# Altium PCB DIOT_Backplane.pcbdoc (part 6 of 11)
Units mm, origin at the board's own origin, x right, y up, seen from the top; angles counter-clockwise.
Board outline 304.8 x 128.5 mm, 14 copper layers (Top Layer, L2, L3GND, L4, L5GND, L6, L7GND, L8, L9GND, L10, L11GND, L12, L13GND, Bottom Layer), stack 4.06 mm thick; 141 components, 1224 nets, 5318 pads, 471 vias.
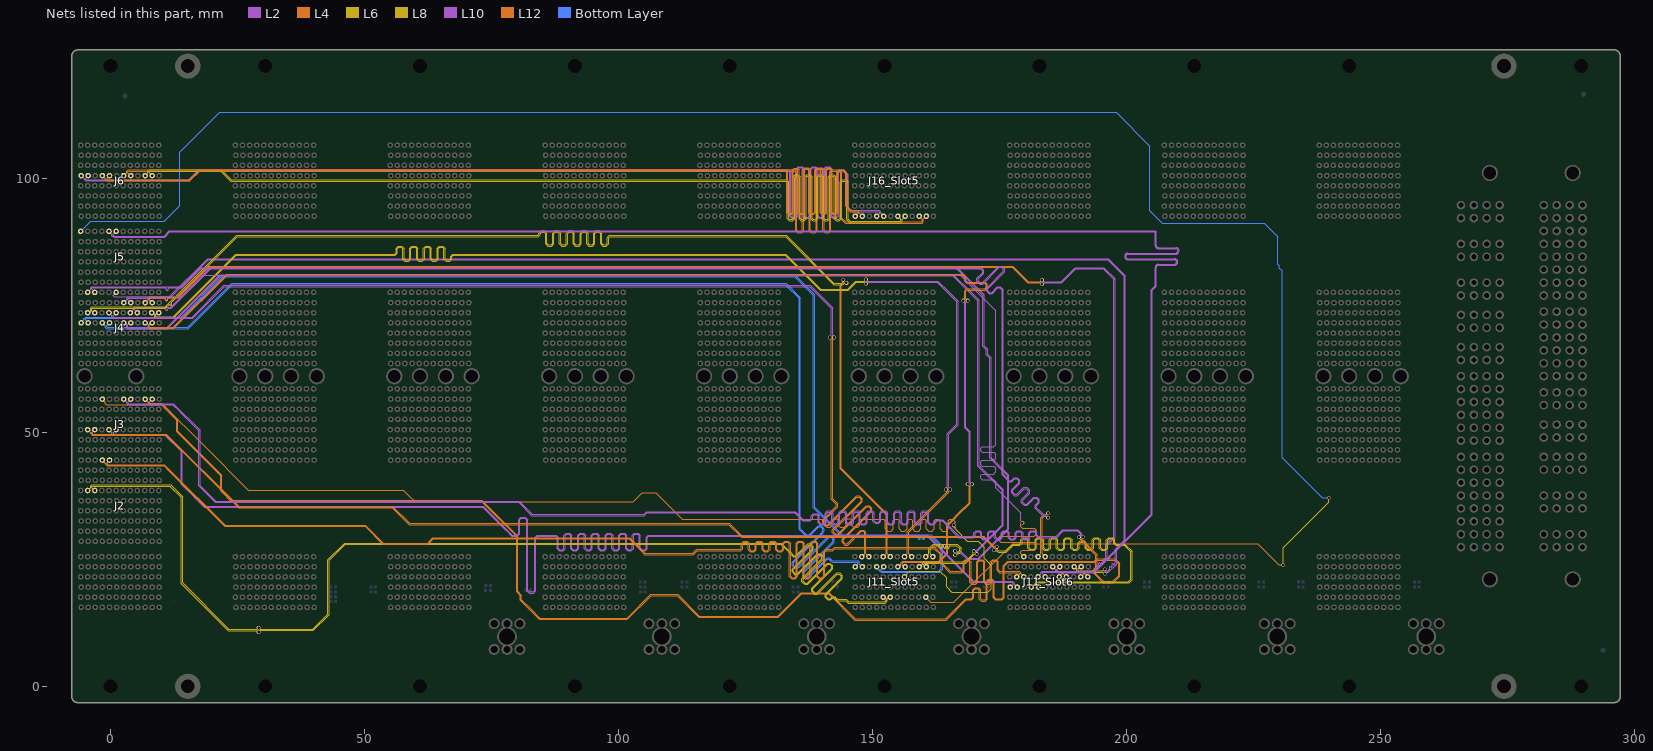
[diagram p18: the nets of this part, all layers, seen from the top]

## Via types
v1: diameter 0.75, hole 0.5, Top Layer to Bottom Layer, tented both sides, 429 vias
v2: diameter 0.85, hole 0.5, Top Layer to Bottom Layer, tented both sides, 32 vias
v3: diameter 1.3, hole 1, Top Layer to Bottom Layer, tented both sides, 10 vias

## Nets (pads, with @x,y where several pads share a name; then routed paths per layer and width w, separated by ;. In a path a pad name is that pad's centre, name@x,y a point inside that pad or via, vN(x,y) a via of type N, cw(c..) or ccw(c..) an arc to the next point about the centre after c; other vN are vias at no path point) (continued)
5_DIFF_4_P: J3.D7 J11_Slot5.H4 | length 244.8
  L4 w0.102: J3.D7@-1.58,56.55 -0.994,55.965 -0.994,55.63 -0.785,55.421 10.336,55.421 18.327,47.429 27.161,38.596 57.653,38.596 58.729,37.52 59.958,36.291 102.94,36.291 104.737,38.088 107.358,38.088 111.596,33.85 111.758,33.688 112.596,32.85 139.16,32.85 140.284,32.85 140.564,32.571 140.564,31.732 140.978,31.319 141.726,31.319 142.14,31.732 142.14,32.734 142.419,33.013 142.978,33.013 143.258,32.734 143.258,31.732 143.672,31.319 144.42,31.319 144.834,31.732 144.834,32.734 145.113,33.013 145.672,33.013 145.952,32.734 145.952,31.732 146.366,31.319 147.114,31.319 147.528,31.732 147.528,32.571 147.807,32.85 147.926,32.85 150.64,32.85 152.276,32.85 152.555,32.571 152.555,30.978 152.969,30.564 153.718,30.564 154.131,30.978 154.131,32.657 154.411,32.936 154.97,32.936 155.249,32.657 155.249,30.978 155.663,30.564 156.412,30.564 156.825,30.978 156.825,32.657 157.105,32.936 157.664,32.936 157.943,32.657 157.943,30.978 158.357,30.564 159.106,30.564 159.519,30.978 159.519,32.657 159.799,32.936 160.358,32.936 160.637,32.657 160.637,30.978 161.051,30.564 161.8,30.564 162.213,30.978 162.213,32.657 162.493,32.936 163.052,32.936 163.331,32.657 163.331,30.978 163.745,30.564 164.494,30.564 164.907,30.978 164.907,32.571 165.187,32.85 165.305,32.85 165.811,32.85 166.311,32.35 166.311,32.041 166,31.729 v1(166,31.69)
  L8 w0.12: J11_Slot5.H4@156.32,21.55 156.885,22.115 156.885,22.371 157.215,22.701 163.059,22.701 163.27,22.701 164.61,21.361 164.61,19.592 165.652,18.55 172.74,18.55 173.44,19.25 173.44,23.858 172.054,25.244 172.054,27.346 170.82,28.58 168.708,28.58 166.291,30.998 166.291,31.305 166,31.596 v1(166,31.69)
5_DIFF_5_N: J4.H5 J11_Slot5.K5 | length 241.5
  L8 w0.12: J11_Slot5.K5@160.62,23.55 160.423,23.55 160.055,23.918 160.055,24.017 160.318,24.28 168.39,24.28 170.066,25.956 170.477,25.956 v1(170.544,26.023)
  L10 w0.102: J4.H5@4.02,71.55 3.759,71.55 3.435,71.226 3.435,70.716 3.525,70.626 11.05,70.626 21.49,81.066 165.924,81.066 169.14,77.85 170.992,75.998 170.992,43.462 175.749,38.705 175.749,31.668 170.572,26.491 170.572,26.05 v1(170.544,26.023)
5_DIFF_5_P: J4.G5 J11_Slot5.J5 | length 241.5
  L8 w0.12: J11_Slot5.J5@159.22,23.55 159.417,23.55 159.785,23.918 159.785,24.129 160.206,24.55 168.278,24.55 169.875,26.147 169.875,26.558 v1(169.942,26.625)
  L10 w0.102: J4.G5@2.62,71.55 2.881,71.55 3.205,71.226 3.205,70.622 3.43,70.397 11.145,70.397 21.585,80.837 165.83,80.837 168.911,77.755 170.763,75.903 170.763,43.367 175.52,38.61 175.52,31.763 170.41,26.653 169.969,26.653 v1(169.942,26.625)
5_DIFF_6_N: J4.K5 J11_Slot5.H5 | length 242.1
  L4 w0.102: J4.K5@8.22,71.55 7.962,71.55 7.635,71.223 7.635,70.952 7.634,70.736 7.694,70.677 12.39,70.677 22.877,81.164 167.75,81.164 168.002,80.912 168.422,80.491 168.422,79.986 168.422,79.868 168.702,79.588 172.176,79.588 172.59,79.175 172.59,78.426 172.176,78.012 168.702,78.012 168.422,77.733 168.422,77.342 168.422,76.261 v1(168.734,75.95)
  L10 w0.102: v1(168.734,75.95) 168.734,75.91 168.422,75.599 168.422,50.981 169.279,50.125 169.279,44.061 169.279,40.116 169.59,39.804 v1(169.59,39.765)
  L12 w0.102: J11_Slot5.H5@156.42,23.55 156.159,23.55 155.835,23.874 155.835,24.155 156.103,24.423 163.158,24.423 164.815,26.081 164.815,31.645 168.088,34.918 168.151,34.918 169.279,36.046 169.279,39.414 169.59,39.726 v1(169.59,39.765)
5_DIFF_6_P: J4.J5 J11_Slot5.G5 | length 242.1
  L4 w0.102: J4.J5@6.82,71.55 7.078,71.55 7.406,71.223 7.406,71.047 7.405,70.641 7.599,70.448 12.485,70.448 22.972,80.935 167.655,80.935 168.193,80.397 168.193,79.986 168.193,79.773 168.607,79.359 172.081,79.359 172.361,79.08 172.361,78.521 172.081,78.241 168.607,78.241 168.193,77.828 168.193,77.342 168.193,76.261 v1(167.882,75.95)
  L10 w0.102: v1(167.882,75.95) 167.882,75.91 168.193,75.599 168.193,50.886 169.05,50.03 169.05,40.116 168.738,39.804 v1(168.738,39.765)
  L12 w0.102: J11_Slot5.G5@155.02,23.55 155.281,23.55 155.606,23.874 155.606,24.25 156.008,24.652 163.063,24.652 164.586,26.175 164.586,31.74 167.994,35.147 168.057,35.147 169.05,36.141 169.05,39.414 168.738,39.726 v1(168.738,39.765)
5_DIFF_7_N: J4.C6 J11_Slot5.F6 | length 241.5
  L12 w0.102: v1(144.876,79.414) 144.848,79.386 144.408,79.386 143.851,78.83 143.851,42.963 152.934,33.879 152.934,26.136 J11_Slot5.F6@153.52,25.55
  L6 w0.102: J4.C6@-3.08,73.55 -3.341,73.55 -3.665,73.874 -3.665,74.371 -3.575,74.461 10.885,74.461 11.197,74.773 11.485,75.061 cw(c11.61,74.935) 11.736,75.061 ccw(c11.862,75.187) 11.988,75.061 ccw(c11.862,75.187) 11.988,75.313 cw(c12.114,75.439) 11.988,75.564 12.247,75.823 24.945,88.521 83.907,88.521 84.177,88.521 84.59,88.935 84.59,89.132 84.87,89.412 85.429,89.412 85.708,89.132 85.708,87.095 86.122,86.681 86.871,86.681 87.284,87.095 87.284,89.132 87.564,89.412 88.123,89.412 88.402,89.132 88.402,87.095 88.816,86.681 89.565,86.681 89.978,87.095 89.978,89.132 90.258,89.412 90.817,89.412 91.096,89.132 91.096,87.095 91.51,86.681 92.259,86.681 92.672,87.095 92.672,89.132 92.952,89.412 93.511,89.412 93.79,89.132 93.79,87.095 94.204,86.681 94.953,86.681 95.366,87.095 95.366,89.132 95.646,89.412 96.205,89.412 96.484,89.132 96.484,87.095 96.898,86.681 97.647,86.681 98.06,87.095 98.06,88.242 98.34,88.521 98.458,88.521 132.906,88.521 142.343,79.084 144.105,79.084 144.408,79.386 144.848,79.386 v1(144.876,79.414)
5_DIFF_7_P: J4.B6 J11_Slot5.E6 | length 241.4
  L12 w0.102: v1(144.274,80.017) 144.246,79.989 144.246,79.548 143.622,78.924 143.622,42.868 152.706,33.784 152.706,26.136 J11_Slot5.E6@152.12,25.55
  L6 w0.102: J4.B6@-4.48,73.55 -4.219,73.55 -3.894,73.874 -3.894,74.466 -3.67,74.69 10.79,74.69 24.85,88.75 83.907,88.75 84.082,88.75 84.361,89.029 84.361,89.227 84.775,89.641 85.524,89.641 85.937,89.227 85.937,87.19 86.217,86.91 86.776,86.91 87.055,87.19 87.055,89.227 87.469,89.641 88.218,89.641 88.631,89.227 88.631,87.19 88.911,86.91 89.47,86.91 89.749,87.19 89.749,89.227 90.163,89.641 90.912,89.641 91.325,89.227 91.325,87.19 91.605,86.91 92.164,86.91 92.443,87.19 92.443,89.227 92.857,89.641 93.606,89.641 94.019,89.227 94.019,87.19 94.299,86.91 94.858,86.91 95.137,87.19 95.137,89.227 95.551,89.641 96.3,89.641 96.713,89.227 96.713,87.19 96.993,86.91 97.552,86.91 97.831,87.19 97.831,88.336 98.245,88.75 98.458,88.75 133,88.75 142.438,79.313 144.01,79.313 144.246,79.548 144.246,79.989 v1(144.274,80.017)
5_DIFF_8_N: J4.F6 J11_Slot5.C6 | length 240.4
  L2 w0.102: J4.F6@1.12,73.55 0.534,72.964 0.534,72.827 0.702,72.659 12.234,72.659 16.074,72.659 22.347,78.932 137.732,78.932 142.152,74.512 142.152,69.021 142.463,68.709 v1(142.463,68.67)
  L12 w0.102: v1(142.463,68.67) 142.463,68.631 142.152,68.319 142.152,36.895 142.46,36.587 143.135,35.912 143.135,35.327 140.455,32.647 140.455,32.252 140.85,31.856 141.246,31.856 146.869,37.48 147.454,37.48 147.984,36.951 147.984,36.366 142.36,30.742 142.36,30.347 142.755,29.951 143.151,29.951 148.774,35.575 149.359,35.575 149.889,35.046 149.889,34.461 144.265,28.837 144.265,28.442 144.66,28.046 145.055,28.046 147.735,30.726 148.32,30.726 148.471,30.576 148.734,30.312 148.734,28.487 148.735,26.136 J11_Slot5.C6@149.32,25.55
5_DIFF_8_P: J4.E6 J11_Slot5.B6 | length 240.4
  L2 w0.102: J4.E6@-0.28,73.55 0.306,72.964 0.306,72.732 0.608,72.43 16.169,72.43 22.442,78.703 137.637,78.703 141.923,74.418 141.923,69.021 141.611,68.709 v1(141.611,68.67)
  L12 w0.102: v1(141.611,68.67) 141.611,68.631 141.923,68.319 141.923,36.8 142.298,36.425 142.906,35.817 142.906,35.422 140.226,32.742 140.226,32.157 140.755,31.627 141.34,31.627 146.964,37.251 147.36,37.251 147.755,36.856 147.755,36.461 142.131,30.837 142.131,30.252 142.66,29.722 143.245,29.722 148.869,35.346 149.265,35.346 149.66,34.951 149.66,34.556 144.036,28.932 144.036,28.347 144.565,27.817 145.15,27.817 147.83,30.497 148.225,30.497 148.309,30.414 148.505,30.217 148.505,26.136 J11_Slot5.B6@147.92,25.55
5_DIFF_9_N: J4.I6 J11_Slot5.L6 | length 247.1
  L8 w0.12: J11_Slot5.L6@161.92,25.55 161.355,26.115 161.355,27.034 162.047,27.725 162.67,27.725 163.104,27.725 cw(c163.104,27.538) 163.291,27.538 163.291,27.404 ccw(c163.478,27.404) 163.665,27.404 163.665,27.538 cw(c163.852,27.538) 164.039,27.538 164.039,27.404 ccw(c164.226,27.404) 164.413,27.404 164.413,27.538 cw(c164.6,27.538) 164.787,27.538 164.787,27.404 ccw(c164.974,27.404) 165.161,27.404 165.161,27.538 cw(c165.348,27.538) 165.348,27.725 165.82,27.725 166.542,27.725 167.208,27.058 167.208,26.664 166.898,26.353 166.669,26.353 166.378,26.645 v1(166.284,26.645)
  L10 w0.102: J4.I6@5.32,73.55 4.734,74.136 4.734,74.261 4.893,74.42 10.32,74.42 10.59,74.42 10.727,74.42 cw(c10.727,74.242) 10.905,74.242 10.905,74.183 ccw(c11.083,74.183) 11.083,74.005 ccw(c11.083,74.183) 11.261,74.183 11.261,74.242 cw(c11.439,74.242) 11.439,74.42 11.921,74.42 11.942,74.42 19.806,82.284 166.482,82.284 171.763,77.003 171.763,66.907 172.446,66.224 172.446,65.251 173.121,64.576 173.121,56.986 173.121,44.927 173.188,44.86 174.915,43.133 176.611,41.437 176.611,30.982 170.839,25.211 168.771,25.211 167.531,26.451 166.653,26.451 166.46,26.645 v1(166.284,26.645)
5_DIFF_9_P: J4.H6 J11_Slot5.K6 | length 247.1
  L8 w0.12: J11_Slot5.K6@160.52,25.55 161.085,26.115 161.085,27.145 161.935,27.995 165.82,27.995 166.653,27.995 167.478,27.17 167.478,26.552 167.01,26.084 166.669,26.084 166.378,25.793 v1(166.284,25.793)
  L10 w0.102: J4.H6@3.92,73.55 4.506,74.136 4.506,74.356 4.799,74.649 11.847,74.649 19.711,82.513 166.577,82.513 171.992,77.098 171.992,67.002 172.675,66.318 172.675,65.346 173.35,64.671 173.35,56.986 173.35,45.022 175.239,43.133 176.84,41.532 176.84,30.887 170.934,24.982 168.676,24.982 167.436,26.222 166.713,26.222 v1(166.284,25.793)
5_DIFF_10_N: J4.L6 J11_Slot5.I6 | length 242.4
  L10 w0.102: v1(148.72,80.091) 148.72,80.079 149.02,79.779 162.891,79.779 164.92,77.75 166.849,75.821 166.849,51.482 165.008,49.642 165.008,39.101 165.32,38.789 v1(165.32,38.75)
  L12 w0.102: J11_Slot5.I6@157.72,25.55 157.134,26.136 157.134,30.346 165.008,38.22 165.008,38.399 165.32,38.711 v1(165.32,38.75)
  L6 w0.102: J4.L6@9.52,73.55 9.259,73.55 8.935,73.226 8.935,72.819 8.994,72.759 12.396,72.759 24.716,85.079 55.826,85.079 55.945,85.079 56.224,85.358 56.224,86.217 56.638,86.631 57.386,86.631 57.8,86.217 57.8,84.206 58.08,83.927 58.639,83.927 58.918,84.206 58.918,86.217 59.332,86.631 60.08,86.631 60.494,86.217 60.494,84.206 60.774,83.927 61.333,83.927 61.612,84.206 61.612,86.217 62.026,86.631 62.774,86.631 63.188,86.217 63.188,84.206 63.468,83.927 64.027,83.927 64.306,84.206 64.306,86.217 64.72,86.631 65.468,86.631 65.882,86.217 65.882,84.206 66.162,83.927 66.721,83.927 67,84.206 67,84.665 67.414,85.079 68.527,85.079 132.906,85.079 139.79,78.195 145.137,78.195 146.721,79.779 148.369,79.779 148.681,80.091 v1(148.72,80.091)
5_DIFF_10_P: J4.K6 J11_Slot5.H6 | length 242.4
  L10 w0.102: v1(148.72,79.239) 148.72,79.25 149.02,79.55 162.796,79.55 164.825,77.521 166.62,75.726 166.62,51.577 164.78,49.737 164.78,39.101 164.468,38.789 v1(164.468,38.75)
  L12 w0.102: J11_Slot5.H6@156.32,25.55 156.906,26.136 156.906,30.441 164.78,38.315 164.78,38.399 164.468,38.711 v1(164.468,38.75)
  L6 w0.102: J4.K6@8.12,73.55 8.381,73.55 8.706,73.226 8.706,72.724 8.899,72.53 12.491,72.53 24.811,84.85 55.826,84.85 56.039,84.85 56.453,85.264 56.453,86.122 56.733,86.402 57.292,86.402 57.571,86.122 57.571,84.112 57.985,83.698 58.733,83.698 59.147,84.112 59.147,86.122 59.427,86.402 59.986,86.402 60.265,86.122 60.265,84.112 60.679,83.698 61.427,83.698 61.841,84.112 61.841,86.122 62.121,86.402 62.68,86.402 62.959,86.122 62.959,84.112 63.373,83.698 64.121,83.698 64.535,84.112 64.535,86.122 64.815,86.402 65.374,86.402 65.653,86.122 65.653,84.112 66.067,83.698 66.815,83.698 67.229,84.112 67.229,84.571 67.509,84.85 68.527,84.85 132.811,84.85 139.695,77.966 145.231,77.966 146.815,79.55 148.369,79.55 148.681,79.239 v1(148.72,79.239)
5_DIFF_11_N: J6.B5 J16_Slot5.E1 | length 242.1
  L10 w0.102: J6.B5@-4.38,100.55 -4.965,99.965 -4.965,99.88 -4.793,99.707 15.407,99.707 17.388,101.688 133.003,101.688 133.5,101.688 133.913,101.274 133.913,92.608 134.193,92.329 134.752,92.329 135.031,92.608 135.031,101.892 135.445,102.305 136.194,102.305 136.607,101.892 136.607,92.608 136.887,92.329 137.446,92.329 137.725,92.608 137.725,101.892 138.139,102.305 138.888,102.305 139.301,101.892 139.301,92.608 139.581,92.329 140.14,92.329 140.419,92.608 140.419,101.892 140.833,102.305 141.582,102.305 141.995,101.892 141.995,92.608 142.275,92.329 142.834,92.329 143.113,92.608 143.113,101.274 143.527,101.688 143.74,101.688 144.326,101.688 145.269,100.745 145.269,94.191 145.786,93.674 151.299,93.674 151.634,93.338 151.634,93.136 J16_Slot5.E1@152.22,92.55
5_DIFF_11_P: J6.A5 J16_Slot5.D1 | length 242.1
  L10 w0.102: J6.A5@-5.78,100.55 -5.195,99.965 -5.195,99.785 -4.888,99.478 15.502,99.478 17.483,101.459 133.003,101.459 133.405,101.459 133.684,101.18 133.684,92.513 134.098,92.1 134.847,92.1 135.26,92.513 135.26,101.797 135.54,102.076 136.099,102.076 136.378,101.797 136.378,92.513 136.792,92.1 137.541,92.1 137.954,92.513 137.954,101.797 138.234,102.076 138.793,102.076 139.072,101.797 139.072,92.513 139.486,92.1 140.235,92.1 140.648,92.513 140.648,101.797 140.928,102.076 141.487,102.076 141.766,101.797 141.766,92.513 142.18,92.1 142.929,92.1 143.342,92.513 143.342,101.18 143.622,101.459 143.74,101.459 144.231,101.459 144.44,101.25 144.602,101.088 145.04,100.65 145.04,94.096 145.691,93.445 151.204,93.445 151.406,93.243 151.406,93.136 J16_Slot5.D1@150.82,92.55
5_DIFF_12_N: J6.E5 J16_Slot5.B1 | length 243.4
  L4 w0.102: J6.E5@-0.18,100.55 -0.766,99.965 -0.766,99.866 -0.618,99.719 15.568,99.719 17.549,101.7 132.668,101.7 132.881,101.7 133.019,101.7 133.369,101.35 133.369,93.337 133.585,93.121 134.017,93.121 134.233,93.337 134.233,101.683 134.583,102.033 135.205,102.033 135.555,101.683 135.555,93.337 135.771,93.121 136.203,93.121 136.419,93.337 136.419,101.683 136.769,102.033 137.391,102.033 137.741,101.683 137.741,93.337 137.957,93.121 138.389,93.121 138.605,93.337 138.605,101.683 138.955,102.033 139.577,102.033 139.927,101.683 139.927,93.337 140.143,93.121 140.575,93.121 140.791,93.337 140.791,101.683 141.141,102.033 141.763,102.033 142.113,101.683 142.113,93.337 142.329,93.121 142.761,93.121 142.977,93.337 142.977,101.35 143.327,101.7 143.54,101.7 144.314,101.7 144.969,101.045 144.969,94.568 145.863,93.674 147.108,93.674 147.435,93.347 147.435,93.136 J16_Slot5.B1@148.02,92.55
5_DIFF_12_P: J6.D5 J16_Slot5.A1 | length 243.4
  L4 w0.102: J6.D5@-1.58,100.55 -0.994,99.965 -0.994,99.771 -0.713,99.49 15.663,99.49 17.644,101.471 132.668,101.471 132.881,101.471 132.924,101.471 133.14,101.255 133.14,93.242 133.49,92.892 134.112,92.892 134.462,93.242 134.462,101.588 134.678,101.804 135.11,101.804 135.326,101.588 135.326,93.242 135.676,92.892 136.298,92.892 136.648,93.242 136.648,101.588 136.864,101.804 137.296,101.804 137.512,101.588 137.512,93.242 137.862,92.892 138.484,92.892 138.834,93.242 138.834,101.588 139.05,101.804 139.482,101.804 139.698,101.588 139.698,93.242 140.048,92.892 140.67,92.892 141.02,93.242 141.02,101.588 141.236,101.804 141.668,101.804 141.884,101.588 141.884,93.242 142.234,92.892 142.856,92.892 143.206,93.242 143.206,101.255 143.422,101.471 143.54,101.471 144.219,101.471 144.54,101.15 144.74,100.95 144.74,94.473 145.769,93.445 147.013,93.445 147.205,93.252 147.205,93.136 J16_Slot5.A1@146.62,92.55
5_DIFF_13_N: J6.H5 J16_Slot5.K1 | length 240.7
  L12 w0.102: J6.H5@4.02,100.55 3.434,101.136 3.434,101.282 3.598,101.446 132.505,101.446 134.599,101.446 134.878,101.166 134.878,89.724 135.292,89.31 136.041,89.31 136.454,89.724 136.454,101.607 136.734,101.887 137.293,101.887 137.572,101.607 137.572,89.724 137.986,89.31 138.735,89.31 139.148,89.724 139.148,101.607 139.428,101.887 139.987,101.887 140.266,101.607 140.266,89.724 140.68,89.31 141.429,89.31 141.842,89.724 141.842,101.166 142.122,101.446 142.24,101.446 143.344,101.446 143.771,101.019 143.771,92.089 144.676,91.184 159.783,91.184 160.034,91.436 160.035,91.965 J16_Slot5.K1@160.62,92.55
5_DIFF_13_P: J6.G5 J16_Slot5.J1 | length 240.7
  L12 w0.102: J6.G5@2.62,100.55 3.206,101.136 3.206,101.377 3.503,101.675 132.505,101.675 134.694,101.675 135.107,101.261 135.107,89.819 135.387,89.539 135.946,89.539 136.225,89.819 136.225,101.702 136.639,102.116 137.388,102.116 137.801,101.702 137.801,89.819 138.081,89.539 138.64,89.539 138.919,89.819 138.919,101.702 139.333,102.116 140.082,102.116 140.495,101.702 140.495,89.819 140.775,89.539 141.334,89.539 141.613,89.819 141.613,101.261 142.027,101.675 142.24,101.675 143.439,101.675 144,101.114 144,92.184 144.771,91.413 159.688,91.413 159.805,91.531 159.805,91.964 J16_Slot5.J1@159.22,92.55
5_DIFF_14_N: J6.K5 J16_Slot5.H1 | length 241.5
  L8 w0.12: J6.K5@8.22,100.55 7.655,101.115 7.655,101.257 7.823,101.425 21.732,101.425 23.713,99.444 132.34,99.444 132.516,99.444 133.033,99.444 133.253,99.224 133.253,92.019 133.632,91.641 134.297,91.641 134.675,92.019 134.675,100.208 134.896,100.429 135.337,100.429 135.557,100.208 135.557,92.019 135.936,91.641 136.6,91.641 136.979,92.019 136.979,100.208 137.199,100.429 137.64,100.429 137.861,100.208 137.861,92.019 138.239,91.641 138.904,91.641 139.283,92.019 139.283,100.208 139.503,100.429 139.944,100.429 140.165,100.208 140.165,92.019 140.543,91.641 141.208,91.641 141.586,92.019 141.586,100.208 141.807,100.429 142.248,100.429 142.468,100.208 142.468,92.019 142.847,91.641 143.511,91.641 143.89,92.019 143.89,99.224 144.11,99.444 144.249,99.444 144.746,99.444 144.94,99.25 144.94,91.868 145.543,91.265 145.906,91.265 155.575,91.265 155.855,91.545 155.855,91.985 J16_Slot5.H1@156.42,92.55
5_DIFF_14_P: J6.J5 J16_Slot5.G1 | length 241.5
  L8 w0.12: J6.J5@6.82,100.55 7.385,101.115 7.385,101.369 7.711,101.695 21.844,101.695 23.825,99.714 132.34,99.714 132.516,99.714 133.145,99.714 133.523,99.335 133.523,92.131 133.744,91.91 134.185,91.91 134.405,92.131 134.405,100.32 134.784,100.698 135.448,100.698 135.827,100.32 135.827,92.131 136.047,91.91 136.488,91.91 136.709,92.131 136.709,100.32 137.088,100.698 137.752,100.698 138.131,100.32 138.131,92.131 138.351,91.91 138.792,91.91 139.013,92.131 139.013,100.32 139.391,100.698 140.056,100.698 140.434,100.32 140.434,92.131 140.655,91.91 141.096,91.91 141.316,92.131 141.316,100.32 141.695,100.698 142.359,100.698 142.738,100.32 142.738,92.131 142.959,91.91 143.4,91.91 143.62,92.131 143.62,99.335 143.999,99.714 144.249,99.714 144.858,99.714 145.21,99.362 145.21,91.98 145.655,91.535 146.018,91.535 155.463,91.535 155.585,91.657 155.585,91.985 J16_Slot5.G1@155.02,92.55
5_DIFF_15_N: J2.C6 J11_Slot5.F2 | length 243.1
  L8 w0.12: J2.C6@-3.08,38.55 -3.645,39.115 -3.645,39.339 -3.575,39.409 11.729,39.409 13.949,37.19 13.949,20.24 23.197,10.991 28.794,10.991 29.085,10.7 v1(29.179,10.7)
  L6 w0.102: v1(29.179,10.7) 29.491,11.012 39.917,11.012 43.048,14.143 43.048,24.804 46.218,27.975 131.98,27.975 133.581,26.374 133.665,26.29 134.451,25.504 135.036,25.504 137.35,27.818 137.745,27.818 138.141,27.423 138.141,27.028 134.21,23.097 134.21,22.512 134.74,21.983 135.325,21.983 139.255,25.913 139.65,25.913 140.046,25.518 140.046,25.123 136.115,21.192 136.115,20.607 136.645,20.078 137.23,20.078 141.16,24.008 141.555,24.008 141.951,23.613 141.951,23.218 138.02,19.287 138.02,18.702 138.55,18.173 139.134,18.173 143.065,22.103 143.46,22.103 143.856,21.708 143.856,21.313 140.698,18.155 140.698,17.57 141.227,17.041 141.812,17.041 142.166,17.394 142.561,17.394 142.645,17.311 143.085,16.87 144.74,16.87 145.209,16.401 152.49,16.401 152.934,16.846 152.934,17.226 153.259,17.55 J11_Slot5.F2@153.52,17.55
5_DIFF_15_P: J2.B6 J11_Slot5.E2 | length 243.2
  L8 w0.12: J2.B6@-4.48,38.55 -3.915,39.115 -3.915,39.451 -3.687,39.679 11.841,39.679 14.219,37.302 14.219,20.351 23.309,11.261 28.794,11.261 29.085,11.552 v1(29.179,11.552)
  L6 w0.102: v1(29.179,11.552) 29.491,11.241 39.822,11.241 42.819,14.237 42.819,24.899 46.124,28.204 132.075,28.204 133.743,26.536 133.827,26.452 134.546,25.733 134.941,25.733 137.255,28.047 137.84,28.047 138.37,27.518 138.37,26.933 134.439,23.002 134.439,22.607 134.834,22.212 135.23,22.212 139.16,26.142 139.745,26.142 140.275,25.613 140.275,25.028 136.344,21.097 136.344,20.702 136.739,20.307 137.135,20.307 141.065,24.237 141.65,24.237 142.18,23.708 142.18,23.123 138.249,19.192 138.249,18.797 138.644,18.402 139.04,18.402 142.97,22.332 143.555,22.332 144.085,21.803 144.085,21.218 140.927,18.06 140.927,17.665 141.322,17.27 141.717,17.27 142.071,17.623 142.656,17.623 142.723,17.556 142.806,17.473 143.18,17.099 144.835,17.099 144.902,17.032 145.304,16.63 152.395,16.63 152.705,16.94 152.705,17.226 152.381,17.55 J11_Slot5.E2@152.12,17.55
5_MGT_Rx_N: J4.E5 J11_Slot5.B5 | length 238.2
  Bottom Layer w0.15: J4.E5@-0.18,71.55 -0.754,70.976 -0.754,70.804 -0.639,70.689 15.247,70.689 23.868,79.31 132.991,79.31 135.831,76.47 135.831,31.098 135.831,31.004 135.963,30.872 136.864,29.972 ccw(c137.277,30.383) 137.69,29.971 139.078,31.359 ; 134.567,23.665 cw(c134.98,24.076) 134.566,24.487 140.258,30.179 ccw(c139.669,30.77) 140.259,31.36 ccw(c139.669,30.77) 139.078,31.36 ; 134.568,23.664 ccw(c134.98,24.076) 135.392,23.665 ; 135.393,23.665 141.083,29.355 ; 136.572,21.66 cw(c136.984,22.072) 136.571,22.483 142.263,28.175 ccw(c141.674,28.765) 142.264,29.356 ccw(c141.674,28.765) 141.083,29.355 ; 136.573,21.659 ccw(c136.984,22.072) 137.397,21.66 ; 137.397,21.66 140.696,24.958 cw(c141.287,24.369) 141.837,24.996 141.84,24.996 141.876,24.96 cw(c141.287,24.369) 141.877,24.958 141.914,24.922 142.019,24.817 142.161,24.675 147.165,24.675 147.414,24.426 147.414,23.998 147.862,23.55 J11_Slot5.B5@148.02,23.55
5_MGT_Rx_P: J4.D5 J11_Slot5.A5 | length 238.2
  Bottom Layer w0.15: J4.D5@-1.58,71.55 -1.006,70.976 -1.006,70.7 -0.743,70.437 13.99,70.437 15.351,70.437 23.972,79.059 132.887,79.059 135.58,76.366 135.58,30.9 135.606,30.873 135.748,30.732 ccw(c135.837,30.82) 135.749,30.731 136.686,29.794 ccw(c137.277,30.383) 137.868,29.794 139.258,31.184 cw(c139.669,30.77) 140.08,31.183 ; 134.39,24.667 ccw(c134.98,24.076) 134.39,23.486 ccw(c134.98,24.076) 135.57,23.487 141.262,29.179 cw(c141.674,28.765) 142.085,29.179 cw(c141.674,28.765) 142.086,29.178 cw(c141.674,28.765) 142.087,29.177 cw(c141.674,28.765) 142.085,28.353 136.395,22.663 ccw(c136.984,22.072) 136.394,21.481 ccw(c136.984,22.072) 137.575,21.482 ; 134.39,24.667 140.08,30.357 ccw(c139.669,30.77) 140.082,31.181 ccw(c139.669,30.77) 140.081,31.182 ; 137.575,21.482 140.874,24.78 cw(c141.287,24.369) 141.7,24.78 141.736,24.744 141.841,24.639 142.057,24.423 147.061,24.423 147.162,24.322 147.162,23.934 146.778,23.55 J11_Slot5.A5@146.62,23.55 ; 140.081,31.182 ccw(c139.669,30.77) 140.08,31.183
5_MGT_Tx_N: J4.B5 J11_Slot5.E5 | length 238.5
  Bottom Layer w0.15: J4.B5@-4.38,71.55 -4.954,72.124 -4.954,72.218 -4.754,72.418 11.958,72.418 14.03,72.418 22.248,80.636 134.663,80.636 138.348,76.95 138.348,35.167 143.972,29.543 148.584,29.543 158.858,29.543 158.903,29.538 158.945,29.523 158.983,29.499 159.015,29.468 159.039,29.43 159.053,29.388 159.058,29.343 159.058,29.152 159.063,29.108 159.078,29.066 159.102,29.028 159.134,28.996 159.172,28.972 159.214,28.957 159.258,28.952 159.303,28.957 159.345,28.972 159.383,28.996 159.415,29.028 159.439,29.066 159.453,29.108 159.458,29.152 159.458,29.343 159.463,29.388 159.478,29.43 159.502,29.468 159.534,29.499 159.572,29.523 159.614,29.538 159.658,29.543 159.703,29.538 159.745,29.523 159.783,29.499 159.815,29.468 159.839,29.43 159.853,29.388 159.858,29.343 159.858,29.152 159.863,29.108 159.878,29.066 159.902,29.028 159.934,28.996 159.972,28.972 160.014,28.957 160.058,28.952 160.103,28.957 160.145,28.972 160.183,28.996 160.215,29.028 160.239,29.066 160.253,29.108 160.258,29.152 160.258,29.343 160.263,29.388 160.278,29.43 160.302,29.468 160.334,29.499 160.372,29.523 160.414,29.538 160.458,29.543 161.512,29.543 163.572,27.483 163.572,23.193 163.061,22.683 151.837,22.683 151.646,22.874 151.646,22.976 J11_Slot5.E5@152.22,23.55
5_MGT_Tx_P: J4.A5 J11_Slot5.D5 | length 238.5
  Bottom Layer w0.15: J4.A5@-5.78,71.55 -5.206,72.124 -5.206,72.322 -4.858,72.67 11.958,72.67 13.926,72.67 22.143,80.887 134.767,80.887 138.6,77.055 138.6,35.271 144.077,29.795 148.584,29.795 158.858,29.795 161.616,29.795 163.824,27.588 163.824,23.089 163.166,22.431 151.733,22.431 151.394,22.77 151.394,22.976 J11_Slot5.D5@150.82,23.55
5_SERVMOD: J5.A6 J11_Slot5.K2 | length 419.7
  L8 w0.102: v1(230.881,23.89) 230.881,27.261 239.823,36.203 v1(239.823,37.141)
  L12 w0.102: J11_Slot5.K2@160.52,17.55 160.52,17.514 161.488,16.546 166.06,16.546 177.591,28.078 225.826,28.078 230.014,23.89 v1(230.881,23.89)
  Bottom Layer w0.102: J5.A6@-5.88,89.55 -4.055,91.375 -3.849,91.581 10.551,91.581 13.62,94.65 13.62,105.141 21.475,112.997 27.52,112.997 197.973,112.997 204.62,106.35 204.62,93.65 207.073,91.197 225.946,91.197 227.173,91.197 229.82,88.55 229.82,83.076 230.088,82.808 230.088,82.31 230.635,81.763 230.635,45.035 238.529,37.141 v1(239.823,37.141)
6_CLK_N: J5.F6 J11_Slot6.F4 | length 318
  L2 w0.102: J5.F6@1.12,89.55 0.534,88.965 0.534,88.838 0.728,88.645 9.723,88.645 10.571,88.644 11.603,89.676 205.668,89.676 205.862,89.482 205.862,86.983 205.862,86.818 ccw(c206.294,86.818) 206.294,86.386 209.717,86.386 cw(c209.717,85.725) 210.378,85.725 cw(c209.717,85.725) 209.717,85.064 200.292,85.064 ccw(c200.292,84.632) 199.86,84.632 ccw(c200.292,84.632) 200.292,84.2 209.438,84.2 cw(c209.438,83.539) 210.099,83.539 cw(c209.438,83.539) 209.438,82.878 206.294,82.878 ccw(c206.294,82.446) 205.862,82.446 205.862,78.855 205.862,78.761 205.12,78.019 205.12,33.772 193.8,22.452 183.557,22.452 183.414,22.309 183.414,22.136 J11_Slot6.F4@184,21.55
6_CLK_P: J5.E6 J11_Slot6.E4 | length 318
  L2 w0.102: J5.E6@-0.28,89.55 0.306,88.965 0.306,88.743 0.633,88.416 10.666,88.416 11.698,89.447 205.573,89.447 205.633,89.387 205.633,86.983 205.633,86.818 ccw(c206.294,86.818) 206.294,86.157 209.717,86.157 cw(c209.717,85.725) 210.149,85.725 cw(c209.717,85.725) 209.717,85.293 200.292,85.293 ccw(c200.292,84.632) 199.631,84.632 ccw(c200.292,84.632) 200.292,83.971 209.438,83.971 cw(c209.438,83.539) 209.87,83.539 cw(c209.438,83.539) 209.438,83.107 206.294,83.107 ccw(c206.294,82.446) 205.633,82.446 205.633,78.855 204.891,78.113 204.891,33.867 193.705,22.681 183.462,22.681 183.186,22.404 183.186,22.136 J11_Slot6.E4@182.6,21.55
6_DIFF_0_N: J3.C4 J11_Slot6.E3 | length 264.9
  L4 w0.102: J3.C4@-3.08,50.55 -3.665,49.965 -3.665,49.883 -3.438,49.656 11.04,49.656 25.325,35.371 55.621,35.371 58.922,32.069 121.845,32.069 124.334,29.579 171.896,29.579 172.334,29.142 172.61,28.866 173.51,27.965 ; 173.51,27.965 174.009,27.466 174.468,27.466 v1(174.478,27.456)
  L8 w0.12: v1(174.478,27.456) 174.478,27.286 174.621,27.142 174.621,26.935 174.907,26.65 176.24,26.65 177.61,28.02 178.782,28.02 178.921,28.02 179.205,28.304 179.205,28.851 179.647,29.293 180.439,29.293 180.881,28.851 180.881,27.309 181.165,27.025 181.733,27.025 182.017,27.309 182.017,28.851 182.459,29.293 183.25,29.293 183.692,28.851 183.692,27.309 183.976,27.025 184.544,27.025 184.828,27.309 184.828,28.851 185.27,29.293 186.062,29.293 186.504,28.851 186.504,27.309 186.788,27.025 187.356,27.025 187.64,27.309 187.64,28.851 188.082,29.293 188.874,29.293 189.316,28.851 189.316,27.309 189.6,27.025 190.168,27.025 190.452,27.309 190.452,28.174 190.894,28.616 191.685,28.616 192.127,28.174 192.127,27.309 192.411,27.025 192.979,27.025 193.263,27.309 193.263,28.851 193.705,29.293 194.497,29.293 194.939,28.851 194.939,27.309 195.223,27.025 195.791,27.025 196.075,27.309 196.075,28.851 196.517,29.293 197.309,29.293 197.751,28.851 197.751,28.304 198.035,28.02 198.346,28.02 199.652,28.02 201.11,26.562 201.11,20.938 200.522,20.35 182.384,20.35 182.135,20.101 182.135,20.002 182.587,19.55 J11_Slot6.E3@182.7,19.55
6_DIFF_0_P: J3.B4 J11_Slot6.D3 | length 264.9
  L4 w0.102: J3.B4@-4.48,50.55 -3.895,49.965 -3.895,49.788 -3.533,49.427 10.945,49.427 14.39,45.982 25.23,35.142 55.526,35.142 58.827,31.84 121.75,31.84 124.24,29.35 171.802,29.35 172.105,29.047 172.367,28.785 173.281,27.871 173.848,27.304 v1@173.848,26.846
  L8 w0.12: v1(173.886,26.843) 174.057,26.843 174.179,26.721 174.454,26.721 174.795,26.38 176.352,26.38 177.722,27.75 178.782,27.75 179.033,27.75 179.475,28.192 179.475,28.739 179.759,29.023 180.327,29.023 180.611,28.739 180.611,27.197 181.053,26.755 181.844,26.755 182.286,27.197 182.286,28.739 182.57,29.023 183.138,29.023 183.422,28.739 183.422,27.197 183.865,26.755 184.656,26.755 185.098,27.197 185.098,28.739 185.382,29.023 185.95,29.023 186.234,28.739 186.234,27.197 186.676,26.755 187.468,26.755 187.91,27.197 187.91,28.739 188.194,29.023 188.762,29.023 189.046,28.739 189.046,27.197 189.488,26.755 190.279,26.755 190.722,27.197 190.722,28.062 191.006,28.346 191.574,28.346 191.858,28.062 191.858,27.197 192.3,26.755 193.091,26.755 193.533,27.197 193.533,28.739 193.817,29.023 194.385,29.023 194.669,28.739 194.669,27.197 195.111,26.755 195.903,26.755 196.345,27.197 196.345,28.739 196.629,29.023 197.197,29.023 197.481,28.739 197.481,28.192 197.923,27.75 198.346,27.75 199.54,27.75 200.84,26.45 200.84,21.05 200.41,20.62 182.272,20.62 181.865,20.213 181.865,20.002 181.413,19.55 J11_Slot6.D3@181.3,19.55
6_DIFF_1_N: J3.F4 J11_Slot6.B3 | length 262.8
  L10 w0.102: J3.F4@1.12,50.55 0.534,49.965 0.534,49.849 0.728,49.656 10.837,49.656 14.168,46.325 14.168,39.917 16.606,37.479 18.613,35.472 73.418,35.472 78.04,30.85 79.123,29.767 79.387,29.767 80.002,29.767 80.345,30.11 80.345,32.841 80.822,33.318 81.697,33.318 82.175,32.841 82.175,18.921 82.518,18.578 83.204,18.578 83.547,18.921 83.547,29.29 84.024,29.767 84.237,29.767 85.023,29.767 85.141,29.767 87.748,29.767 88.162,29.354 88.162,27.154 88.441,26.875 89,26.875 89.28,27.154 89.28,29.74 89.693,30.153 90.442,30.153 90.856,29.74 90.856,27.154 91.135,26.875 91.694,26.875 91.974,27.154 91.974,29.74 92.387,30.153 93.136,30.153 93.55,29.74 93.55,27.154 93.829,26.875 94.388,26.875 94.668,27.154 94.668,29.74 95.081,30.153 95.83,30.153 96.244,29.74 96.244,27.154 96.523,26.875 97.082,26.875 97.362,27.154 97.362,29.74 97.775,30.153 98.524,30.153 98.938,29.74 98.938,27.154 99.217,26.875 99.776,26.875 100.056,27.154 100.056,29.74 100.469,30.153 101.218,30.153 101.632,29.74 101.632,27.154 101.911,26.875 102.47,26.875 102.75,27.154 102.75,29.74 103.163,30.153 103.912,30.153 104.326,29.74 104.326,27.154 104.605,26.875 105.164,26.875 105.444,27.154 105.444,29.354 105.857,29.767 106.07,29.767 160.868,29.767 169.936,20.7 177.563,20.7 177.915,20.348 177.915,20.135 J11_Slot6.B3@178.5,19.55
6_DIFF_1_P: J3.E4 J11_Slot6.A3 | length 262.8
  L10 w0.102: J3.E4@-0.28,50.55 0.306,49.965 0.306,49.754 0.633,49.427 10.742,49.427 13.939,46.23 13.939,39.822 16.282,37.479 16.444,37.317 18.518,35.243 73.323,35.243 77.716,30.85 77.878,30.688 79.028,29.538 79.387,29.538 80.096,29.538 80.574,30.015 80.574,32.746 80.917,33.089 81.603,33.089 81.946,32.746 81.946,18.826 82.423,18.349 83.298,18.349 83.776,18.826 83.776,29.195 84.119,29.538 84.237,29.538 85.023,29.538 85.141,29.538 87.653,29.538 87.933,29.259 87.933,27.059 88.346,26.646 89.095,26.646 89.509,27.059 89.509,29.645 89.788,29.924 90.347,29.924 90.627,29.645 90.627,27.059 91.04,26.646 91.789,26.646 92.203,27.059 92.203,29.645 92.482,29.924 93.041,29.924 93.321,29.645 93.321,27.059 93.734,26.646 94.483,26.646 94.897,27.059 94.897,29.645 95.176,29.924 95.735,29.924 96.015,29.645 96.015,27.059 96.428,26.646 97.177,26.646 97.591,27.059 97.591,29.645 97.87,29.924 98.429,29.924 98.709,29.645 98.709,27.059 99.122,26.646 99.871,26.646 100.285,27.059 100.285,29.645 100.564,29.924 101.123,29.924 101.403,29.645 101.403,27.059 101.816,26.646 102.565,26.646 102.979,27.059 102.979,29.645 103.258,29.924 103.817,29.924 104.097,29.645 104.097,27.059 104.51,26.646 105.259,26.646 105.673,27.059 105.673,29.259 105.952,29.538 106.07,29.538 160.773,29.538 169.841,20.471 177.468,20.471 177.685,20.253 177.685,20.135 J11_Slot6.A3@177.1,19.55
6_DIFF_2_N: J3.E1 J11_Slot6.C4 | length 263.4
  L4 w0.102: J3.E1@-0.18,44.55 -0.766,43.965 -0.766,43.91 -0.491,43.636 10.646,43.636 11.621,42.661 22.569,31.713 50.21,31.713 53.741,28.183 62.428,28.183 63.495,29.249 102.241,29.249 104.44,27.05 105.311,26.179 114.628,26.179 115.399,26.95 122.339,26.95 123.95,26.95 124.23,27.229 124.23,28.178 124.643,28.592 125.392,28.592 125.806,28.178 125.806,26.959 126.085,26.68 126.644,26.68 126.924,26.959 126.924,28.178 127.337,28.592 128.086,28.592 128.5,28.178 128.5,26.959 128.779,26.68 129.338,26.68 129.618,26.959 129.618,28.178 130.031,28.592 130.78,28.592 131.194,28.178 131.194,26.959 131.473,26.68 132.032,26.68 132.312,26.959 132.312,28.178 132.725,28.592 133.474,28.592 133.887,28.178 133.887,21.677 134.167,21.397 134.726,21.397 135.005,21.677 135.005,28.178 135.419,28.592 136.168,28.592 136.581,28.178 136.581,21.677 136.861,21.397 137.42,21.397 137.699,21.677 137.699,28.178 138.113,28.592 138.862,28.592 139.275,28.178 139.275,21.677 139.555,21.397 140.114,21.397 140.393,21.677 140.393,26.536 140.807,26.95 141.02,26.95 142.14,26.95 142.54,27.35 162.24,27.35 163.54,26.05 163.54,24.45 165.36,22.63 167.44,22.63 167.558,22.63 167.838,22.909 167.838,24.502 168.251,24.916 169,24.916 169.414,24.502 169.414,20.623 169.693,20.344 170.252,20.344 170.532,20.623 170.532,24.502 170.945,24.916 171.694,24.916 172.108,24.502 172.108,20.623 172.387,20.344 172.946,20.344 173.226,20.623 173.226,24.502 173.639,24.916 174.388,24.916 174.802,24.502 174.802,22.909 175.081,22.63 175.56,22.63 175.88,22.63 176.093,22.63 178.934,22.63 179.087,22.477 179.215,22.35 179.215,22.136 J11_Slot6.C4@179.8,21.55
6_DIFF_2_P: J3.D1 J11_Slot6.B4 | length 263.4
  L4 w0.102: J3.D1@-1.58,44.55 -0.994,43.965 -0.994,43.815 -0.586,43.407 10.551,43.407 11.526,42.432 22.474,31.484 50.116,31.484 53.646,27.954 62.523,27.954 63.589,29.02 102.146,29.02 104.116,27.05 104.278,26.888 105.216,25.95 114.723,25.95 115.494,26.721 122.339,26.721 124.045,26.721 124.459,27.135 124.459,28.083 124.738,28.363 125.297,28.363 125.577,28.083 125.577,26.865 125.99,26.451 126.739,26.451 127.153,26.865 127.153,28.083 127.432,28.363 127.991,28.363 128.271,28.083 128.271,26.865 128.684,26.451 129.433,26.451 129.847,26.865 129.847,28.083 130.126,28.363 130.685,28.363 130.965,28.083 130.965,26.865 131.378,26.451 132.127,26.451 132.54,26.865 132.54,28.083 132.82,28.363 133.379,28.363 133.658,28.083 133.658,21.582 134.072,21.168 134.821,21.168 135.234,21.582 135.234,28.083 135.514,28.363 136.073,28.363 136.352,28.083 136.352,21.582 136.766,21.168 137.515,21.168 137.928,21.582 137.928,28.083 138.208,28.363 138.767,28.363 139.046,28.083 139.046,21.582 139.46,21.168 140.209,21.168 140.622,21.582 140.622,26.442 140.902,26.721 141.02,26.721 142.235,26.721 142.635,27.121 162.145,27.121 163.311,25.955 163.311,24.355 164.216,23.45 164.378,23.288 165.265,22.401 167.44,22.401 167.653,22.401 168.067,22.815 168.067,24.407 168.346,24.687 168.905,24.687 169.185,24.407 169.185,20.529 169.598,20.115 170.347,20.115 170.761,20.529 170.761,24.407 171.04,24.687 171.599,24.687 171.879,24.407 171.879,20.529 172.292,20.115 173.041,20.115 173.455,20.529 173.455,24.407 173.734,24.687 174.293,24.687 174.573,24.407 174.573,22.815 174.986,22.401 175.655,22.401 175.88,22.401 176.093,22.401 178.839,22.401 178.985,22.255 178.985,22.136 J11_Slot6.B4@178.4,21.55
6_DIFF_3_N: J3.H7 J11_Slot6.L4 | length 266.2
  L2 w0.102: J3.H7@4.02,56.55 3.434,55.965 3.434,55.788 3.547,55.675 6.751,55.675 12.399,55.675 17.648,50.426 17.648,39.536 18.841,38.342 20.746,36.437 80.436,36.437 83.027,33.847 104.998,33.847 105.532,34.38 134.786,34.38 136.387,32.779 137.59,32.779 137.709,32.779 137.988,33.058 137.988,33.58 138.402,33.994 139.15,33.994 139.564,33.58 139.564,32.299 139.844,32.019 140.403,32.019 140.682,32.299 140.682,34.115 141.096,34.529 141.844,34.529 142.258,34.115 142.258,32.299 142.538,32.019 143.097,32.019 143.376,32.299 143.376,34.115 143.79,34.529 144.538,34.529 144.952,34.115 144.952,32.299 145.232,32.019 145.791,32.019 146.07,32.299 146.07,34.115 146.484,34.529 147.232,34.529 147.646,34.115 147.646,32.299 147.926,32.019 148.485,32.019 148.764,32.299 148.764,34.115 149.178,34.529 149.926,34.529 150.34,34.115 150.34,32.567 150.62,32.288 151.179,32.288 151.458,32.567 151.458,34.115 151.872,34.529 152.62,34.529 153.034,34.115 153.034,32.299 153.314,32.019 153.873,32.019 154.152,32.299 154.152,34.115 154.566,34.529 155.314,34.529 155.728,34.115 155.728,32.299 156.008,32.019 156.567,32.019 156.846,32.299 156.846,34.115 157.26,34.529 158.008,34.529 158.422,34.115 158.422,32.299 158.701,32.019 159.261,32.019 159.54,32.299 159.54,34.115 159.954,34.529 160.702,34.529 161.116,34.115 161.116,32.299 161.395,32.019 161.954,32.019 162.234,32.299 162.234,32.365 162.648,32.779 163.835,32.779 163.912,32.702 167.085,29.529 169.592,29.529 169.71,29.529 169.99,29.808 169.99,30.226 170.403,30.639 171.152,30.639 171.566,30.226 171.566,29.324 171.845,29.045 172.404,29.045 172.684,29.324 172.684,30.226 173.097,30.639 173.846,30.639 174.26,30.226 174.26,29.324 174.539,29.045 175.098,29.045 175.378,29.324 175.378,30.226 175.791,30.639 176.54,30.639 176.953,30.226 176.953,29.324 177.233,29.045 177.792,29.045 178.071,29.324 178.071,30.226 178.485,30.639 179.234,30.639 179.647,30.226 179.647,29.324 179.927,29.045 180.486,29.045 180.765,29.324 180.765,30.226 181.179,30.639 181.928,30.639 182.341,30.226 182.341,29.808 182.621,29.529 185.24,29.529 186.177,29.529 187.472,30.824 190.437,30.824 190.92,30.341 191.199,30.062 191.199,29.702 191.511,29.39 v1(191.511,29.351)
  L4 w0.102: v1(191.511,29.351) 191.511,29.312 191.199,29 191.199,28.916 194.241,25.873 194.241,24.804 194.241,23.371 193.322,22.452 191.964,22.452 191.815,22.302 191.815,22.136 J11_Slot6.L4@192.4,21.55
6_DIFF_3_P: J3.G7 J11_Slot6.K4 | length 266.2
  L2 w0.102: J3.G7@2.62,56.55 3.206,55.965 3.206,55.693 3.452,55.446 12.304,55.446 13.533,54.217 13.695,54.055 17.419,50.332 17.419,39.441 18.679,38.18 18.841,38.019 20.652,36.208 80.342,36.208 82.932,33.618 105.093,33.618 105.627,34.151 134.691,34.151 136.148,32.694 136.292,32.55 137.59,32.55 137.803,32.55 138.217,32.964 138.217,33.485 138.497,33.765 139.056,33.765 139.335,33.485 139.335,32.204 139.749,31.79 140.497,31.79 140.911,32.204 140.911,34.02 141.191,34.3 141.75,34.3 142.029,34.02 142.029,32.204 142.443,31.79 143.191,31.79 143.605,32.204 143.605,34.02 143.885,34.3 144.444,34.3 144.723,34.02 144.723,32.204 145.137,31.79 145.885,31.79 146.299,32.204 146.299,34.02 146.579,34.3 147.138,34.3 147.417,34.02 147.417,32.204 147.831,31.79 148.579,31.79 148.993,32.204 148.993,34.02 149.273,34.3 149.832,34.3 150.111,34.02 150.111,32.472 150.525,32.059 151.273,32.059 151.687,32.472 151.687,34.02 151.967,34.3 152.526,34.3 152.805,34.02 152.805,32.204 153.219,31.79 153.967,31.79 154.381,32.204 154.381,34.02 154.661,34.3 155.22,34.3 155.499,34.02 155.499,32.204 155.913,31.79 156.661,31.79 157.075,32.204 157.075,34.02 157.355,34.3 157.914,34.3 158.193,34.02 158.193,32.204 158.607,31.79 159.355,31.79 159.769,32.204 159.769,34.02 160.048,34.3 160.607,34.3 160.887,34.02 160.887,32.204 161.301,31.79 162.049,31.79 162.463,32.204 162.463,32.271 162.742,32.55 163.74,32.55 163.912,32.378 166.99,29.3 169.592,29.3 169.805,29.3 170.219,29.713 170.219,30.131 170.498,30.41 171.057,30.41 171.337,30.131 171.337,29.229 171.75,28.816 172.499,28.816 172.913,29.229 172.913,30.131 173.192,30.41 173.751,30.41 174.031,30.131 174.031,29.229 174.444,28.816 175.193,28.816 175.607,29.229 175.607,30.131 175.886,30.41 176.445,30.41 176.725,30.131 176.725,29.229 177.138,28.816 177.887,28.816 178.3,29.229 178.3,30.131 178.58,30.41 179.139,30.41 179.418,30.131 179.418,29.229 179.832,28.816 180.581,28.816 180.994,29.229 180.994,30.131 181.274,30.41 181.833,30.41 182.112,30.131 182.112,29.713 182.526,29.3 185.24,29.3 186.271,29.3 187.567,30.595 190.342,30.595 190.596,30.341 190.97,29.967 190.97,29.702 190.659,29.39 v1(190.659,29.351)
  L4 w0.102: v1(190.659,29.351) 190.659,29.312 190.97,29 190.97,28.821 194.012,25.779 194.012,23.466 193.227,22.681 191.87,22.681 191.585,22.397 191.585,22.136 J11_Slot6.K4@191,21.55
6_DIFF_4_N: J3.K7 J11_Slot6.I4 | length 263.3
  L12 w0.102: J3.K7@8.22,56.55 7.635,55.965 7.635,55.83 7.764,55.701 8.681,55.701 10.087,55.701 13.279,52.509 13.279,50.204 21.94,41.543 21.94,38.571 23.896,36.615 73.147,36.615 80.169,29.593 80.169,18.696 80.913,17.952 80.913,17.039 82.793,15.159 84.537,13.415 101.693,13.415 106.364,18.086 111.65,18.086 115.891,13.844 131.392,13.844 135.964,18.416 141.495,18.416 146.651,13.26 164.413,13.26 168.403,17.25 168.922,17.25 169.443,17.25 169.723,17.53 169.723,19.031 170.137,19.445 170.885,19.445 171.299,19.031 171.299,17.287 171.578,17.007 172.137,17.007 172.417,17.287 172.417,20.708 172.831,21.122 173.579,21.122 173.993,20.708 173.993,17.53 174.272,17.25 175.44,17.25 175.711,17.521 175.711,21.173 175.711,23.745 176.615,24.649 177.256,24.649 193.715,24.649 194.145,25.079 197.835,25.079 197.902,25.012 198.702,24.212 198.702,21.688 197.435,20.421 195.369,20.421 193.94,21.85 193.356,22.434 187.703,22.434 187.615,22.346 187.615,22.135 J11_Slot6.I4@188.2,21.55
6_DIFF_4_P: J3.J7 J11_Slot6.H4 | length 263.3
  L12 w0.102: J3.J7@6.82,56.55 7.405,55.965 7.405,55.735 7.669,55.472 9.993,55.472 11.958,53.506 12.12,53.344 13.05,52.414 13.05,50.109 20.6,42.559 21.711,41.448 21.711,38.476 23.801,36.386 73.052,36.386 79.94,29.498 79.94,18.601 80.684,17.858 80.684,16.944 84.443,13.186 84.892,13.186 101.787,13.186 106.459,17.857 111.555,17.857 115.797,13.615 131.487,13.615 136.059,18.187 141.4,18.187 146.556,13.031 164.508,13.031 168.498,17.021 168.922,17.021 169.538,17.021 169.952,17.435 169.952,18.936 170.231,19.216 170.79,19.216 171.07,18.936 171.07,17.192 171.484,16.778 172.232,16.778 172.646,17.192 172.646,20.613 172.925,20.893 173.484,20.893 173.764,20.613 173.764,17.435 174.177,17.021 175.535,17.021 175.737,17.224 175.94,17.426 175.94,23.65 176.71,24.42 177.256,24.42 193.81,24.42 194.24,24.85 197.74,24.85 198.473,24.117 198.473,21.783 197.34,20.65 195.464,20.65 194.264,21.85 193.45,22.663 187.608,22.663 187.386,22.441 187.386,22.136 J11_Slot6.H4@186.8,21.55
6_DIFF_5_N: J4.H7 J11_Slot6.K5 | length 269.6
  L8 w0.12: J11_Slot6.K5@191.1,23.55 190.903,23.55 190.535,23.182 190.535,22.861 190.675,22.721 195.342,22.721 195.633,23.012 v1(195.727,23.012)
  L10 w0.102: J4.H7@4.02,75.55 3.434,76.136 3.434,76.212 3.649,76.427 10.22,76.427 10.627,76.427 cw(c10.627,76.249) 10.805,76.249 10.805,76.097 ccw(c10.983,76.097) 10.983,75.919 ccw(c10.983,76.097) 11.161,76.097 11.161,76.249 cw(c11.339,76.249) 11.339,76.427 11.704,76.427 19.212,83.935 196.343,83.935 199.562,80.716 199.562,28.715 198.197,27.351 197.82,26.973 197.82,24.253 197.82,24.174 197.673,24.026 cw(c197.547,24.152) 197.421,24.026 197.411,24.036 ccw(c197.285,23.91) 197.159,24.036 ccw(c197.285,23.91) 197.16,23.784 197.169,23.774 cw(c197.043,23.649) 197.169,23.523 cw(c197.043,23.649) 196.917,23.523 196.908,23.532 ccw(c196.782,23.407) 196.656,23.532 ccw(c196.782,23.407) 196.656,23.281 196.666,23.271 cw(c196.54,23.145) 196.666,23.019 196.63,22.983 196.347,22.701 196.078,22.701 195.766,23.012 v1(195.727,23.012)
6_DIFF_5_P: J4.G7 J11_Slot6.J5 | length 269.7
  L8 w0.12: J11_Slot6.J5@189.7,23.55 189.897,23.55 190.265,23.182 190.265,22.75 190.563,22.452 195.342,22.452 195.633,22.16 v1(195.727,22.16)
  L10 w0.102: J4.G7@2.62,75.55 3.206,76.136 3.206,76.307 3.554,76.656 11.609,76.656 19.117,84.164 196.438,84.164 199.791,80.811 199.791,28.621 198.804,27.634 198.426,27.256 198.049,26.879 198.049,24.079 196.442,22.472 196.078,22.472 195.766,22.16 v1(195.727,22.16)
6_DIFF_6_N: J4.K7 J11_Slot6.H5 | length 265.9
  L4 w0.102: J4.K7@8.22,75.55 7.635,76.136 7.635,76.221 7.865,76.452 10.356,76.452 10.763,76.452 cw(c10.763,76.274) 10.941,76.274 10.941,76.122 ccw(c11.119,76.122) 11.119,75.944 ccw(c11.119,76.122) 11.297,76.122 11.297,76.274 cw(c11.475,76.274) 11.475,76.452 12.02,76.452 12.847,76.452 13.365,76.452 19.4,82.487 177.497,82.487 180.537,79.446 183.006,79.446 183.318,79.135 v1(183.357,79.135)
  L10 w0.102: v1(183.357,79.135) 183.396,79.135 183.708,79.446 187.275,79.446 190.037,82.208 195.473,82.208 197.556,80.125 197.556,29.421 195.97,27.835 195.97,25.174 195.331,24.536 195.044,24.248 cw(c194.918,24.374) 194.792,24.248 ccw(c194.666,24.122) 194.54,24.248 ccw(c194.666,24.122) 194.54,23.996 ; J11_Slot6.H5@186.9,23.55 186.314,22.964 186.314,22.823 186.518,22.62 193.416,22.62 193.858,23.062 194.037,23.241 ccw(c193.911,23.367) 194.037,23.493 cw(c194.163,23.619) 194.037,23.744 cw(c194.163,23.619) 194.288,23.744 ccw(c194.414,23.87) 194.54,23.744 ccw(c194.414,23.87) 194.54,23.996
6_DIFF_6_P: J4.J7 J11_Slot6.G5 | length 265.8
  L4 w0.102: J4.J7@6.82,75.55 7.405,76.136 7.405,76.316 7.77,76.681 13.27,76.681 19.305,82.716 177.591,82.716 180.632,79.675 183.006,79.675 183.318,79.987 v1(183.357,79.987)
  L10 w0.102: v1(183.357,79.987) 183.396,79.987 183.708,79.675 187.181,79.675 189.943,82.437 195.568,82.437 197.785,80.22 197.785,29.326 196.199,27.74 196.199,25.079 193.51,22.391 186.423,22.391 186.086,22.728 186.086,22.964 J11_Slot6.G5@185.5,23.55
6_DIFF_7_N: J4.C8 J11_Slot6.F6 | length 267.3
  L2 w0.102: J4.C8@-3.08,77.55 -3.665,78.136 -3.665,78.349 -3.59,78.424 10.42,78.424 10.827,78.424 cw(c10.827,78.246) 11.005,78.246 11.005,78.094 ccw(c11.183,78.094) 11.183,77.916 ccw(c11.183,78.094) 11.361,78.094 11.361,78.246 cw(c11.539,78.246) 11.539,78.424 11.882,78.424 12.12,78.424 14.01,78.424 17.793,82.208 171.313,82.208 171.375,82.146 171.458,82.062 171.685,81.835 171.685,81.44 170.559,80.313 170.559,79.728 171.088,79.199 171.673,79.199 174.985,82.511 175.381,82.511 175.776,82.116 175.776,81.72 172.464,78.408 172.464,77.823 172.993,77.294 173.578,77.294 174.705,78.42 175.1,78.42 175.183,78.337 175.52,78 175.52,41.618 176.715,40.424 176.798,40.34 176.865,40.273 177.45,40.273 178.012,40.835 178.407,40.835 178.803,40.44 178.803,40.045 177.417,38.659 177.417,38.074 177.946,37.544 178.531,37.544 179.917,38.93 180.312,38.93 180.707,38.535 180.707,38.14 179.322,36.754 179.322,36.169 179.851,35.639 180.436,35.639 181.822,37.025 182.217,37.025 182.612,36.63 182.612,36.235 182.05,35.673 182.05,35.088 182.574,34.564 182.658,34.48 183.622,33.516 184.222,33.516 184.534,33.205 v1(184.573,33.205)
  L4 w0.102: J11_Slot6.F6@184,25.55 183.414,26.136 183.414,33.13 183.801,33.516 184.222,33.516 184.534,33.205 v1(184.573,33.205)
6_DIFF_7_P: J4.B8 J11_Slot6.E6 | length 267.4
  L2 w0.102: J4.B8@-4.48,77.55 -3.895,78.136 -3.895,78.444 -3.685,78.653 13.915,78.653 17.698,82.437 171.407,82.437 171.537,82.307 171.62,82.224 171.914,81.93 171.914,81.345 170.788,80.219 170.788,79.823 171.183,79.428 171.579,79.428 174.891,82.74 175.476,82.74 176.005,82.211 176.005,81.626 172.693,78.314 172.693,77.918 173.088,77.523 173.484,77.523 174.61,78.649 175.195,78.649 175.262,78.582 175.345,78.499 175.749,78.095 175.749,41.713 176.876,40.586 176.96,40.502 177.355,40.502 177.917,41.064 178.502,41.064 179.032,40.535 179.032,39.95 177.646,38.564 177.646,38.169 178.041,37.773 178.436,37.773 179.822,39.159 180.407,39.159 180.936,38.63 180.936,38.045 179.551,36.659 179.551,36.264 179.946,35.868 180.341,35.868 181.727,37.254 182.312,37.254 182.841,36.725 182.841,36.14 182.279,35.578 182.279,35.183 182.736,34.726 182.82,34.642 183.717,33.745 184.222,33.745 184.534,34.057 v1(184.573,34.057)
  L4 w0.102: J11_Slot6.E6@182.6,25.55 183.186,26.136 183.186,33.224 183.706,33.745 184.222,33.745 184.534,34.057 v1(184.573,34.057)
6_DIFF_8_N: J4.F8 J11_Slot6.C6 | length 264.7
  L2 w0.102: J4.F8@1.12,77.55 0.534,76.965 0.534,76.891 0.753,76.672 13.562,76.672 14.067,76.672 18.333,80.938 167.273,80.938 174.256,73.955 174.256,49.65 174.256,47.595 173.842,47.181 171.573,47.181 171.294,46.902 171.294,46.343 171.573,46.063 173.863,46.063 174.277,45.649 174.277,44.901 173.863,44.487 171.573,44.487 171.294,44.208 171.294,43.649 171.573,43.369 173.863,43.369 174.277,42.955 174.277,42.207 173.863,41.793 171.573,41.793 171.294,41.514 171.294,40.955 171.573,40.675 173.842,40.675 174.256,40.261 174.256,40.049 174.256,39.132 179.214,34.173 179.214,32.566 179.526,32.254 v1(179.526,32.215)
  L4 w0.102: v1(179.526,32.215) 179.526,32.176 179.214,31.864 179.214,31.55 179.215,31.503 179.215,31.385 179.494,31.105 181.815,31.105 182.229,30.691 182.229,29.943 181.815,29.529 175.22,29.529 174.941,29.25 174.941,28.691 175.22,28.411 181.815,28.411 182.229,27.997 182.229,27.249 181.815,26.835 179.494,26.835 179.215,26.556 179.215,26.405 179.215,26.136 J11_Slot6.C6@179.8,25.55